# KiCad board data-center-dram-tester.kicad_pcb (continued)
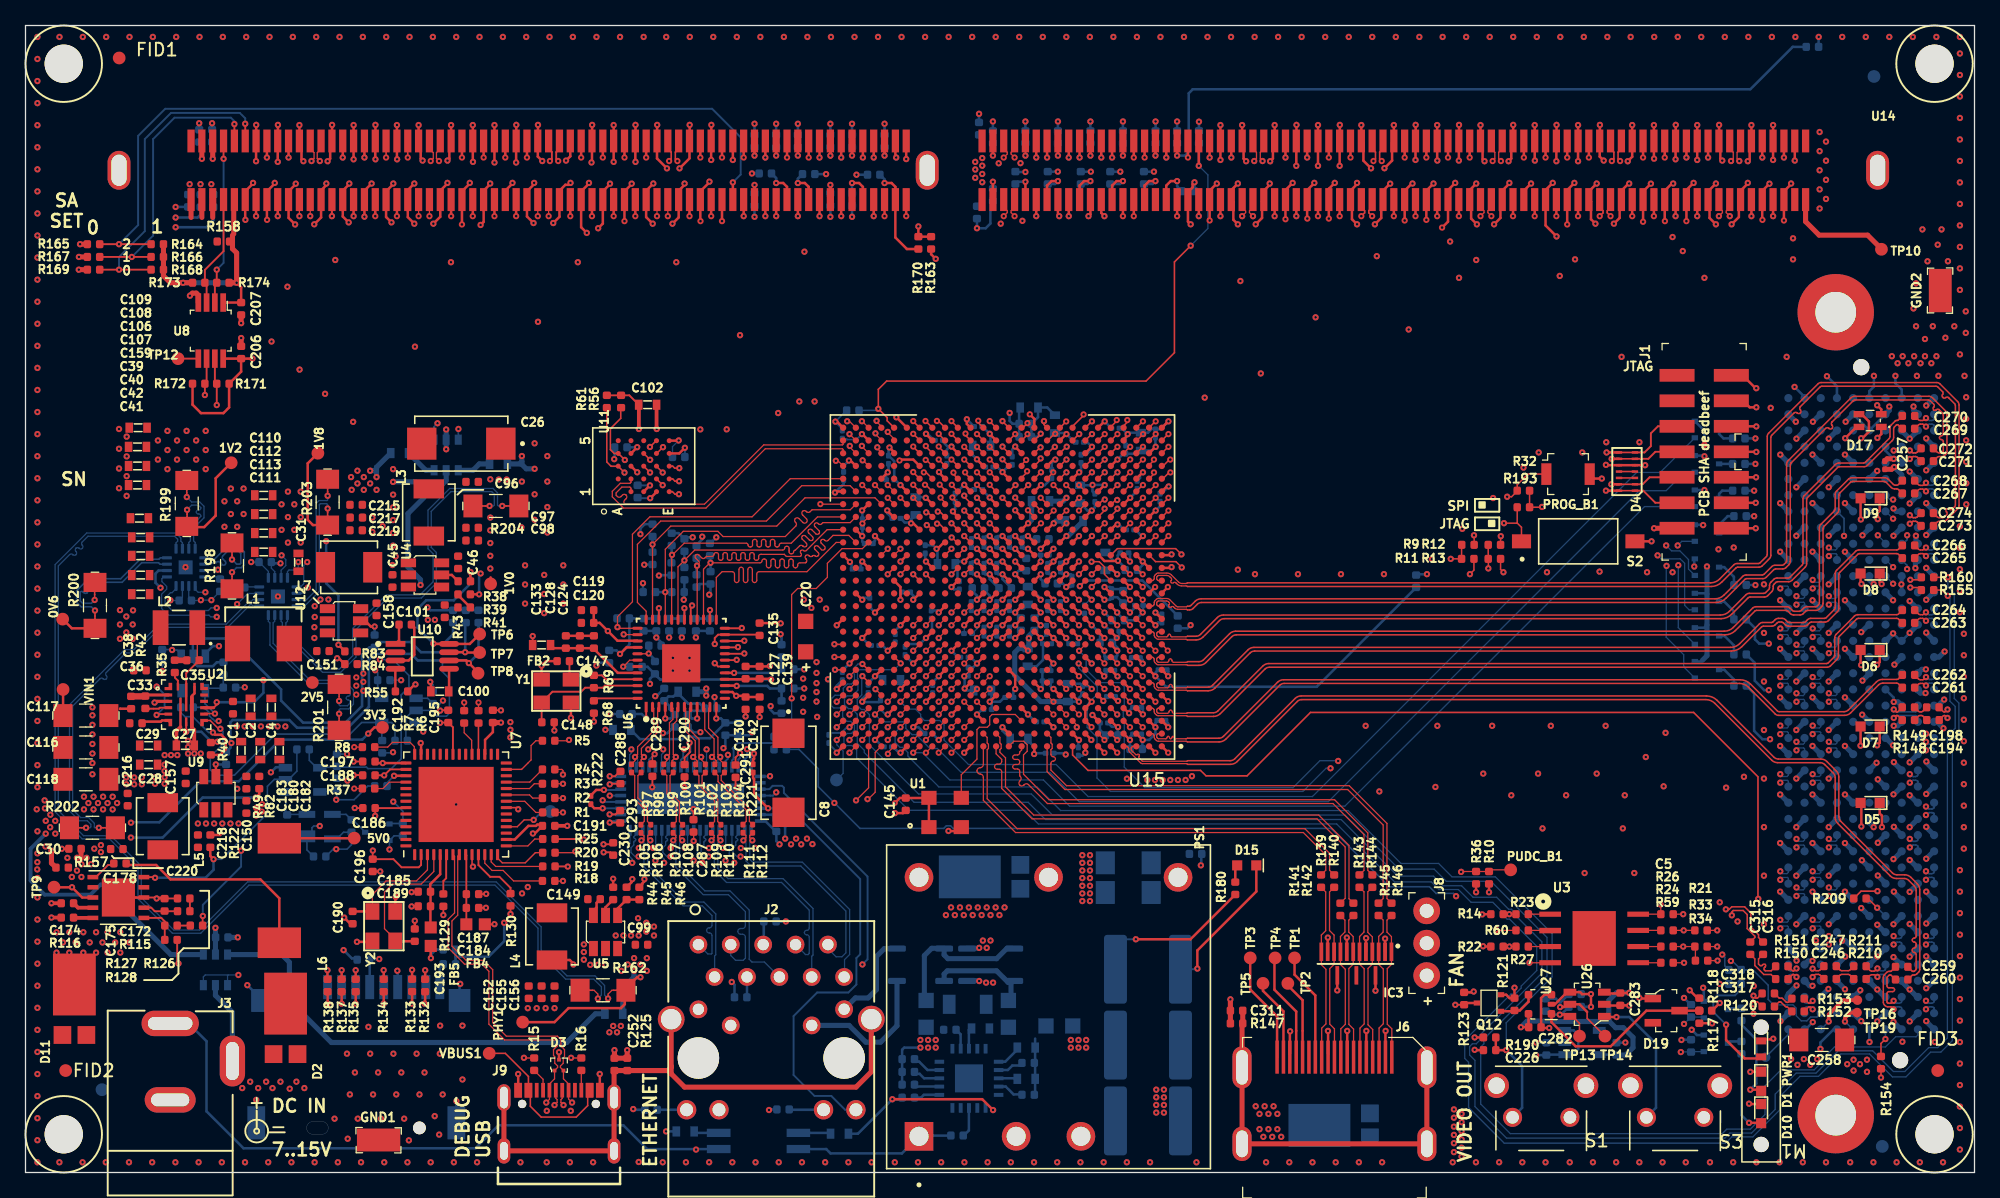
[diagram p0: board, top side]
## Routing (per net, layer and track width the routed paths; a pad name or vN(x,y) marks a point on that pad's centre or on a via; arc(x,y) is an arc through that point) (continued)
  Bottom w0.1: v1(28.09,15.88) 28.1,15.87 J7.5
SD_CMD: length 73
  Top w0.1: U15.D8 v3(82.64,35.94)
  Top w0.2: v1(25.9,15.88) R135.2
  In2.Cu w0.1: v3(82.64,35.94) 82.06,35.36 82.06,34.38 81.05,33.38 81.05,31.53 80.92,31.4 arc(80.78,31.34) 80.64,31.4 80.61,31.43 arc(80.46,31.49) 80.32,31.43 arc(80.26,31.29) 80.32,31.15 80.64,30.83 arc(80.7,30.69) 80.64,30.55 80.64,30.55 arc(80.5,30.49) 80.36,30.55 80.04,30.87 arc(79.9,30.92) 79.76,30.87 arc(79.7,30.72) 79.76,30.58 79.79,30.55 arc(79.85,30.41) 79.79,30.27 78.84,29.32 71.32,29.32 63.55,21.55 43.5,21.55 38.95,17 32.72,17 32.47,17.25 30.93,17.25 29.9,16.22 29.9,15.4 29.22,14.72 27.06,14.72 25.91,15.88 v1(25.9,15.88)
  Bottom w0.1: v1(25.9,15.88) J7.3
SD_DAT0: length 75.8
  Top w0.1: U15.E10 v3(80.64,36.94)
  Top w0.2: v1(30.32,15.9) R133.2
  In2.Cu w0.1: v1(30.32,15.9) 30.83,16.41 39.35,16.41 43.9,20.95 63.95,20.95 71.69,28.69 79.19,28.69 79.56,29.06 arc(79.61,29.18) 79.56,29.31 79.51,29.36 arc(79.46,29.48) 79.51,29.61 arc(79.63,29.66) 79.76,29.61 79.81,29.56 arc(79.93,29.5) 80.06,29.56 arc(80.11,29.68) 80.06,29.8 79.98,29.87 arc(79.93,30) 79.98,30.12 arc(80.11,30.17) 80.23,30.12 80.3,30.05 arc(80.43,30) 80.55,30.05 81.13,30.63 arc(81.19,30.78) 81.13,30.92 81.1,30.95 arc(81.04,31.09) 81.1,31.24 arc(81.24,31.29) 81.38,31.24 81.42,31.2 arc(81.56,31.14) 81.7,31.2 82.02,31.52 82.02,31.62 arc(81.96,31.76) 81.82,31.82 81.47,31.82 arc(81.33,31.88) 81.27,32.02 arc(81.33,32.16) 81.47,32.22 81.82,32.22 arc(81.96,32.28) 82.02,32.42 82.02,32.67 arc(82.08,32.81) 82.22,32.87 82.27,32.87 arc(82.41,32.93) 82.47,33.07 arc(82.41,33.21) 82.27,33.27 81.72,33.27 arc(81.58,33.33) 81.52,33.47 arc(81.58,33.61) 81.72,33.67 81.82,33.67 arc(81.96,33.73) 82.02,33.87 82.02,33.89 82.89,34.76 82.89,35.34 83.04,35.49 83.04,36.13 82.72,36.45 82.35,36.45 arc(82.23,36.5) 82.18,36.62 82.18,37.28 arc(82.12,37.4) 82,37.45 arc(81.88,37.4) 81.82,37.28 arc(81.78,37.17) 81.68,37.12 81.28,37.12 arc(81.17,37.08) 81.12,36.97 arc(81.17,36.87) 81.28,36.83 81.68,36.83 arc(81.78,36.78) 81.82,36.67 81.82,36.62 arc(81.77,36.5) 81.65,36.45 81.13,36.45 v3(80.64,36.94)
  Bottom w0.1: v1(30.32,15.9) 30.3,15.88 J7.7
SD_DAT1: length 75.1
  Top w0.1: U15.F8 v3(82.64,37.94)
  Top w0.2: v1(31.35,15.88) R132.2
  In2.Cu w0.1: v3(82.64,37.94) 83.06,37.52 83.06,36.74 83.25,36.55 83.25,35.24 83.18,35.17 83.18,33.88 82.7,33.41 82.7,31.2 82.54,31.04 arc(82.38,30.97) 82.22,31.04 arc(82.06,31.11) 81.9,31.04 arc(81.84,30.88) 81.9,30.72 82.06,30.56 82.54,30.09 arc(82.61,29.93) 82.54,29.77 arc(82.38,29.7) 82.22,29.77 81.59,30.4 arc(81.43,30.47) 81.27,30.4 arc(81.2,30.24) 81.27,30.09 81.9,29.45 arc(81.97,29.29) 81.9,29.13 arc(81.74,29.07) 81.59,29.13 80.95,29.77 arc(80.79,29.83) 80.63,29.77 arc(80.56,29.61) 80.63,29.45 81.27,28.81 arc(81.33,28.65) 81.27,28.49 arc(81.11,28.43) 80.95,28.49 80.31,29.13 arc(80.15,29.2) 79.99,29.13 arc(79.93,28.97) 79.99,28.81 arc(80.06,28.65) 79.99,28.49 79.55,28.05 72.05,28.05 64.4,20.4 44.2,20.4 39.8,16 31.47,16 v1(31.35,15.88)
  Bottom w0.1: J7.8 31.4,15.83 v1(31.35,15.88)
SD_DAT2: length 72.1
  Top w0.1: U15.C9 v3(81.64,34.94)
  Top w0.2: R138.2 23.69,15.17 v1(23.69,15.88)
  In2.Cu w0.1: v3(81.64,34.94) 81.64,34.61 80.3,33.28 80.3,31.8 78.46,29.95 70.96,29.95 63.05,22.05 43.05,22.05 38.6,17.6 30.55,17.6 29.59,16.64 29.59,15.66 29.03,15.1 27.45,15.1 26.18,16.38 25.6,16.38 25.38,16.15 25.38,15.58 25.15,15.35 24.21,15.35 v1(23.69,15.88)
  Bottom w0.1: v1(23.69,15.88) 23.7,15.86 J7.1
SD_DAT3: length 74.3
  Top w0.1: U15.D9 v3(81.64,35.94)
  Top w0.2: v1(24.8,15.88) R137.2
  In2.Cu w0.1: v3(81.64,35.94) 81.22,35.52 81.22,34.92 79.56,33.26 79.56,32.06 79.43,31.92 arc(79.3,31.87) 79.18,31.92 arc(79.05,31.98) 78.93,31.93 78.89,31.89 arc(78.84,31.77) 78.89,31.64 79.23,31.31 arc(79.29,31.16) 79.23,31.02 arc(79.09,30.96) 78.95,31.02 78.61,31.36 arc(78.49,31.41) 78.36,31.36 78.33,31.32 arc(78.28,31.2) 78.33,31.08 arc(78.38,30.95) 78.33,30.83 78.09,30.59 72.19,30.59 arc(72.05,30.65) 71.99,30.79 arc(71.93,30.93) 71.79,30.99 71.74,30.99 arc(71.6,30.93) 71.54,30.79 71.54,30.59 71.54,30.59 71.54,30.39 arc(71.48,30.25) 71.34,30.19 71.29,30.19 arc(71.15,30.25) 71.09,30.39 arc(71.03,30.53) 70.89,30.59 70.59,30.59 69.7,29.7 68.35,29.7 67.78,29.14 67.78,27.88 62.5,22.6 42.7,22.6 38.1,18 30.27,18 28.7,16.43 28.7,15.7 28.46,15.46 27.79,15.46 26.48,16.77 25.27,16.77 24.8,16.3 v1(24.8,15.88)
  Bottom w0.1: v1(24.8,15.88) J7.2
SDA_2V5: length 8.6
  Top w0.15: U14.285 15.54,72.29 14.07,70.82 14.07,69.79 ; U8.3 14.21,69.66
SDA_3V3: length 99.4
  Top w0.1: U15.D26 v1(63.64,35.94)
  Top w0.15: v1(14.07,61.01) R172.2 ; U8.6 14.21,62.03
  In2.Cu w0.1: v1(14.07,61.01) 16.79,61.01 22.85,54.95 22.85,49.28 22.1,48.53 v1(22.1,47.9) 22.1,47.4 23.05,46.45 26.07,46.45 31.33,41.19 31.33,35.69 34.12,32.9 38.16,32.9 38.99,32.07 45.93,32.07 46.9,31.1 57.81,31.1 58.23,30.68 62.44,30.68 64.06,32.29 64.06,35.52 v1(63.64,35.94)
  In9.Cu w0.1: v1(22.1,47.9) 21.7,47.5 21.7,45.5 19.8,43.6 v1(15,43.6)
  Bottom w0.1: v1(22.1,47.9) 21.82,47.62 21.82,46.2 21.57,45.95 U20.5 ; v1(15,43.6) 14.53,43.6 14.4,43.72 11.2,43.72 10.67,44.25 10.67,45.37 11.08,45.77 11.08,45.99 10.7,46.36 10.7,46.6 10.83,46.73 U19.5
TCK_JTAG: length 115.9
  Top w0.1: 41.54,22.86 42.15,22.86 ; U15.L8 v1(82.64,42.94)
  Top w0.127: D4.13 D4.13
  Top w0.15: D4.13 126.85,54 127.4,54.55 J1.6
  Top w0.2: D4.13 v1(124.4,54)
  In5.Cu w0.1: v1(82.64,42.94) 82.22,43.36 81.62,43.36 81.2,43.78 81.2,43.97 80.72,44.45 69.55,44.45 66.22,41.12 66.22,34.93 65.81,34.52 63.62,34.52 62.8,33.7 52.82,33.7 51.91,32.79 51.49,32.79 50.65,33.62 46.68,33.62 44.5,31.45 44.5,25.22 v1(42.16,22.88)
  In7.Cu w0.12: v1(124.4,54) 123.1,54 122.8,54.3 121.35,54.3 120.35,53.3 120.35,48.85 117,45.5 84.94,45.5 84.81,45.37 82.46,45.37 82.2,45.11 82.2,43.38 ; v1(82.64,42.94) 82.21,43.37
TDI_JTAG: length 117.5
  Top w0.127: D4.8 D4.8 ; U15.R6 v1(83.64,46.94)
  Top w0.15: R19.2 42.52,24.02 ; J1.10 128.05,58.55 127.5,58 127.5,57 127,56.5 D4.8
  Top w0.2: D4.8 v1(124.03,56.5)
  In5.Cu w0.1: v1(42.54,24) 42.54,26.21 42,26.75 42,27.5 42.33,27.83 42.34,27.83 42.58,28.08 42.58,32.58 45.21,35.21 60.91,35.21 63.22,37.52 63.22,38.36 63.9,39.04 63.9,41.9 68.52,46.52 68.84,46.52 69.22,46.9 69.22,47.11 69.47,47.37 83.21,47.37 v1(83.64,46.94)
  In7.Cu w0.12: v1(83.64,46.94) 83.99,46.59 84.61,46.59 85.2,46 115.95,46 119.5,49.55 119.5,53.7 121,55.2 123.2,55.2 123.5,54.9 124.3,54.9 125,55.6 125,56.3 124.8,56.5 v1(124.03,56.5)
TDO_JTAG: length 112.2
  Top w0.1: v1(43.14,25.19) 43.04,25.09 R20.2
  Top w0.127: D4.9 D4.9 ; U15.R7 v1(82.64,46.94)
  Top w0.15: D4.9 127.3,56 127.85,56.55 J1.8
  Top w0.2: D4.9 v1(124.43,56)
  In5.Cu w0.1: v1(82.64,46.94) 82.06,46.36 69.31,46.36 68.2,45.25 68.2,44.91 66.74,43.45 66.5,43.45 64.22,41.17 64.22,36.93 63.81,36.52 63.42,36.52 61.6,34.7 57.9,34.7 57.63,34.97 56.83,34.97 56.56,34.7 53.7,34.7 53.43,34.97 52.57,34.97 52.3,34.7 50.6,34.7 50.3,35 49.65,35 49.2,34.55 45.95,34.55 45.5,34.1 45.18,34.1 43.14,32.06 43.14,27.44 43.16,27.42 43.16,27.08 43.14,27.06 v1(43.14,25.19)
  In7.Cu w0.12: v1(82.64,46.94) 83.17,47.47 83.88,47.47 84.15,47.2 84.7,47.2 85.4,46.5 114.7,46.5 118.53,50.33 118.53,54.18 120.35,56 v1(124.43,56)
TMDS_CLK_N: length 35.2
  Top w0.1: R139.1 102,23.72 102,24.92 100.24,26.67 77.66,26.67 75.14,29.2 75.14,31.01 arc(75.06,31.19) 74.89,31.26 arc(74.71,31.34) 74.64,31.51 arc(74.71,31.69) 74.89,31.76 arc(75.06,31.84) 75.14,32.01 U15.A15
TMDS_CLK_P: length 35.8
  Top w0.1: U15.B15 75.44,34.14 75.44,33.71 75.54,33.61 75.54,33.27 75.44,33.17 75.44,29.33 77.79,26.97 100.36,26.97 102.3,25.04 102.3,23.71 R140.1
TMDS_D0_N: length 37.7
  Top w0.1: U15.A14 76.14,32.85 76.57,32.41 76.57,32.25 arc(76.52,32.1) 76.38,32.05 76.21,32.05 arc(76.07,31.99) 76.01,31.84 arc(76.07,31.7) 76.21,31.64 76.38,31.64 arc(76.52,31.59) 76.57,31.44 76.57,30.14 78.96,27.75 101.31,27.75 103.52,25.55 103.52,21.51 R141.1
TMDS_D0_P: length 38.1
  Top w0.1: R142.1 103.82,21.48 103.82,25.67 101.44,28.05 79.09,28.05 76.88,30.26 76.88,32.54 76.44,32.98 76.44,33.17 76.54,33.27 76.54,33.61 76.44,33.71 76.44,34.14 U15.B14
TMDS_D1_N: length 36.8
  Top w0.1: U15.A12 78.14,33.15 77.99,33 77.99,32.94 arc(77.94,32.81) 77.81,32.76 77.61,32.76 arc(77.49,32.71) 77.44,32.59 arc(77.49,32.46) 77.61,32.41 77.81,32.41 arc(77.94,32.36) 77.99,32.24 77.99,32.19 arc(77.94,32.06) 77.81,32.01 77.61,32.01 arc(77.49,31.96) 77.44,31.84 arc(77.49,31.71) 77.61,31.66 77.81,31.66 arc(77.94,31.61) 77.99,31.49 77.99,31.13 78.04,31.08 arc(78.1,30.92) 78.04,30.76 77.99,30.71 arc(77.93,30.55) 77.99,30.4 arc(78.15,30.33) 78.31,30.4 78.35,30.44 arc(78.51,30.51) 78.67,30.44 80.16,28.95 102.56,28.95 104.99,26.52 104.99,23.7 R143.1
TMDS_D1_P: length 36.5
  Top w0.1: U15.A13 77.54,33.84 78.3,33.84 78.57,33.57 78.57,33.05 78.29,32.76 78.29,31.25 80.29,29.25 102.69,29.25 105.3,26.64 105.3,23.7 R144.1
TMDS_D2_N: length 36.4
  Top w0.1: U15.A10 80.14,31.45 81.54,30.05 103.71,30.05 106.5,27.26 106.5,21.49 R145.1
TMDS_D2_P: length 38
  Top w0.1: U15.B10 80.44,34.14 80.44,33.71 80.54,33.61 80.54,33.27 80.44,33.17 80.44,32.8 arc(80.49,32.68) 80.61,32.63 80.62,32.63 arc(80.74,32.58) 80.79,32.45 arc(80.74,32.33) 80.62,32.28 80.61,32.28 arc(80.49,32.23) 80.44,32.1 80.44,31.58 81.66,30.35 103.84,30.35 106.8,27.39 106.8,21.49 R146.1
TMS_JTAG: length 110.1
  Top w0.1: U15.N8 v1(82.64,44.94)
  Top w0.127: D4.14 D4.14
  Top w0.15: R25.2 43.75,26.17 v1(43.79,26.13) ; J1.4 127.85,52.55 126.9,53.5 D4.14
  Top w0.2: D4.14 v1(123.97,53.5)
  In5.Cu w0.1: v1(43.79,26.13) 43.78,26.14 43.78,31.67 46.15,34.05 50.69,34.05 50.78,34.14 62.24,34.14 63.62,35.52 64.82,35.52 65.2,35.9 65.2,40.9 69.22,44.92 69.22,45.14 69.44,45.36 82.22,45.36 v1(82.64,44.94)
  In7.Cu w0.12: v1(123.97,53.5) 121.85,53.5 121.05,52.7 121.05,48.19 117.86,45 85.5,45 85.01,44.51 83.07,44.51 v1(82.64,44.94)
UART0_RX: length 37.4
  Top w0.1: R6.2 v2(35.54,36.88) ; U15.F25 v1(64.64,37.94)
  In2.Cu w0.1: v1(64.64,37.94) 64.06,37.36 63.21,37.36 62.75,36.9 62.75,34.55 60.3,32.1 47.25,32.1 45.83,33.52 36.88,33.52 35.5,34.9 35.5,36.84 v2(35.54,36.88)
UART0_TX: length 37.1
  Top w0.1: U15.E26 v1(63.64,36.94) ; R7.2 v2(34.41,36.88)
  In2.Cu w0.1: v2(34.41,36.88) 34.64,36.65 34.64,35.16 36.54,33.25 45.56,33.25 47.11,31.7 60.65,31.7 63.12,34.17 63.12,36.03 63.64,36.55 v1(63.64,36.94)
UART1_RX: length 48.2
  Top w0.1: R8.2 v2(25.79,33.38) ; v1(65.15,29.2) 66.14,30.19 U15.A24
  In2.Cu w0.1: v1(65.15,29.2) 62.95,27 44.34,27 43.56,27.78 41.62,27.78 37.4,32 30.8,32 29.4,33.4 25.81,33.4 v2(25.79,33.38)
UART1_TX: length 49.2
  Top w0.1: R37.2 v2(25.79,30.13) ; v1(66.05,29.3) 66.11,29.3 66.65,29.84 66.65,32.96 67.13,33.44
  In2.Cu w0.1: v2(25.79,30.13) 29.37,30.13 30.74,31.5 37.1,31.5 42,26.6 63.35,26.6 v1(66.05,29.3)
USR_LED1: length 84.7
  Top w0.1: U15.D21 v1(68.64,35.94)
  In9.Cu w0.1: v1(68.64,35.94) 68.15,36.43 68.15,43.2 68.35,43.4 68.69,43.4 70.07,44.78 70.07,45.07 70.8,45.8 72,45.8 72.25,45.55 72.8,45.55 73,45.75 80.55,45.75 81.25,45.05 81.25,44.78 81.52,44.5 89.29,44.5 91.34,42.45 92.85,42.45 93.35,42.95 126.05,42.95 128.73,45.63 v1(128.73,47.6)
  Bottom w0.1: v1(128.73,47.6) 128.7,47.57 128.7,42 130.07,40.62 130.07,39.67 Q2.1
USR_LED2: length 83.7
  Top w0.1: U15.B20 v1(69.64,33.94)
  In9.Cu w0.1: v1(69.64,33.94) 69.22,34.36 69.22,43.11 69.63,43.52 69.63,43.68 71.28,45.33 79.97,45.33 80.15,45.15 80.15,44.71 80.41,44.45 80.9,44.45 81.15,44.2 81.15,43.75 81.47,43.43 89.47,43.43 90.8,42.1 126.3,42.1 129.65,45.45 v1(129.65,47.65)
  Bottom w0.1: Q4.1 129.65,42.75 v1(129.65,47.65)
USR_LED3: length 84.3
  Top w0.1: U15.B21 v1(68.64,33.94)
  In9.Cu w0.1: v1(68.64,33.94) 68.06,34.52 68.06,35.11 67.65,35.52 67.46,35.52 67.15,35.83 67.15,40 66.5,40.65 66.5,43.21 68.22,44.93 68.22,45.11 69.64,46.54 70.94,46.54 71.1,46.7 72.1,46.7 72.26,46.54 84.68,46.54 85.38,45.84 89.76,45.84 91.24,44.36 125.58,44.36 127.69,46.46 127.69,48.08 v1(128.03,48.42)
  Bottom w0.1: v1(128.03,48.42) 128.3,48.15 129.8,48.15 130.15,47.8 130.15,44.5 130.5,44.15 Q3.1
USR_LED4: length 82.9
  Top w0.1: U15.C22 v1(67.64,34.94)
  In9.Cu w0.1: v1(67.64,34.94) 67.06,35.52 66.46,35.52 66.1,35.88 66.1,40.15 65.22,41.03 65.22,43.13 68.22,46.13 68.58,46.13 69.22,46.77 69.22,47.11 69.46,47.36 84.64,47.36 85.5,46.5 89.92,46.5 91.32,45.1 125.3,45.1 126.55,46.35 126.55,47.85 127.9,49.2 v1(128.7,49.2)
  Bottom w0.1: v1(128.7,49.2) 129.12,48.78 129.77,48.78 130.45,48.1 130.45,47.35 Q5.1
USR_LED5: length 77
  Top w0.1: U15.E22 v1(67.64,36.94)
  In9.Cu w0.1: v1(67.64,36.94) 67.64,40.36 67.06,40.94 67.06,42.77 69.15,44.86 69.15,45.35 70,46.2 72.1,46.2 72.23,46.33 73.37,46.33 73.6,46.1 80.92,46.1 81.47,45.55 84.83,45.55 85.18,45.2 89.5,45.2 91.05,43.65 125.84,43.65 128.2,46.01 128.2,47.8 v1(129.6,49.2)
  Bottom w0.1: Q6.1 129.93,49.53 v1(129.6,49.2)
VPP: length 7
  Top w0.4: U14.288 12.99,74.94 ; U14.286 14.69,74.94 ; U14.287 13.84,74.94 ; U14.143 v1(13.84,79.54) ; U14.142 v1(14.69,79.54)
  vias: v1(12.88,77.55) v1(13.73,77.55) v1(14.58,77.55) v1(15.61,52.67) v1(15.61,50.67) v1(16.11,53.67) v1(16.11,51.67) v1(16.61,52.67) v1(16.61,50.67) v1(17.11,53.67) v1(17.11,51.67)
VREF_33: length 5.6
  Top w0.127: v1(79.64,57.97) 79.64,57.94 U15.AE11
  Bottom w0.2: R65.2 80.15,60.03 R66.1 79.43,59.27 C146.1 C18.1 79.39,57.72 v1(79.64,57.97)
VRN: length 2.5
  Top w0.127: 81.64,49.94 v1(81.66,49.94)
  Top w0.2: U15.U9 81.64,49.94
  Bottom w0.4: R63.1 81.79,49.94 v1(81.66,49.94)
VRP: length 2.6
  Top w0.127: 78.63,50.94 v1(78.65,50.94)
  Top w0.2: 78.13,50.44 78.63,50.94
  Bottom w0.4: R64.1 78.92,51.21 v1(78.65,50.94)
VTT:
  vias: v1(74.5,79.3) v1(74.5,78.7) v1(74.5,78.05) v1(75.05,79.6) v1(75.05,79) v1(75.05,78.35) v1(75.05,77.7)
~{ACT}: length 45.9
  Top w0.127: U15.Y8 82.64,52.94 v3(82.66,52.94)
  Top w0.2: U14.62 v3(87.79,79.64)
  In5.Cu w0.09: 80.97,60.44 80.97,59.36 81.22,59.11 81.22,54.36 82.65,52.94 v3(82.66,52.94)
  In5.Cu w0.146: 80.97,60.44 80.97,69.97 81.33,70.33 arc(81.42,70.54) 81.33,70.76 81.23,70.86 arc(81.14,71.07) 81.23,71.29 arc(81.44,71.37) 81.65,71.29 82.29,70.65 arc(82.5,70.56) 82.71,70.65 arc(82.8,70.86) 82.71,71.07 82.07,71.71 arc(81.99,71.92) 82.07,72.13 arc(82.29,72.22) 82.5,72.13 83.13,71.5 arc(83.35,71.41) 83.56,71.5 arc(83.65,71.71) 83.56,71.92 82.92,72.56 arc(82.83,72.77) 82.92,72.98 arc(83.13,73.07) 83.35,72.98 83.98,72.35 arc(84.2,72.26) 84.41,72.35 arc(84.5,72.56) 84.41,72.77 83.77,73.41 arc(83.68,73.62) 83.77,73.83 arc(83.98,73.92) 84.2,73.83 84.83,73.2 arc(85.04,73.11) 85.26,73.2 arc(85.34,73.41) 85.26,73.62 85.15,73.73 arc(85.06,73.94) 85.15,74.15 85.8,74.8 arc(85.89,75.01) 85.8,75.22 85.64,75.39 arc(85.55,75.6) 85.64,75.81 arc(85.85,75.9) 86.06,75.81 86.81,75.06 arc(87.02,74.97) 87.24,75.06 arc(87.32,75.27) 87.24,75.48 86.48,76.24 arc(86.4,76.45) 86.48,76.66 arc(86.7,76.75) 86.91,76.66 87.07,76.5 arc(87.28,76.41) 87.5,76.5 87.79,76.79 v3(87.79,79.64)
~{ALERT}: length 43.4
  Top w0.127: U15.AE10 80.19,57.44 80.71,57.96 v2(80.77,57.96)
  Top w0.2: U14.208 v2(86.09,75.04)
  In2.Cu w0.1: 81.33,60.45 81.33,60.2 81.1,59.97 81.1,58.29 v2(80.77,57.96)
  In2.Cu w0.16: 81.33,60.45 81.33,63.59 81.21,63.72 81.21,64.11 81.33,64.23 arc(81.49,64.3) 81.65,64.23 81.82,64.05 arc(81.98,63.99) 82.14,64.05 arc(82.21,64.21) 82.14,64.37 81.68,64.83 arc(81.63,64.95) 81.68,65.08 81.76,65.15 arc(81.88,65.2) 82,65.15 82.46,64.69 arc(82.62,64.62) 82.78,64.69 arc(82.84,64.85) 82.78,65.01 82.32,65.47 arc(82.27,65.59) 82.32,65.71 82.39,65.79 arc(82.52,65.84) 82.64,65.79 83.13,65.29 arc(83.29,65.23) 83.45,65.29 arc(83.52,65.45) 83.45,65.61 82.96,66.1 arc(82.91,66.23) 82.96,66.35 83.03,66.42 arc(83.15,66.47) 83.28,66.42 84.12,65.57 arc(84.28,65.51) 84.44,65.57 arc(84.51,65.73) 84.44,65.89 83.59,66.74 arc(83.54,66.86) 83.59,66.99 83.66,67.06 arc(83.79,67.11) 83.91,67.06 arc(84.03,67.01) 84.16,67.06 85.03,67.92 85.55,67.92 arc(85.71,67.99) 85.77,68.15 arc(85.71,68.31) 85.55,68.38 85.22,68.38 arc(85.07,68.44) 85,68.6 arc(85.07,68.76) 85.22,68.83 86.62,68.83 arc(86.78,68.89) 86.85,69.05 arc(86.78,69.21) 86.62,69.28 85.22,69.28 arc(85.07,69.34) 85,69.5 arc(85.07,69.66) 85.22,69.72 86.62,69.72 arc(86.78,69.79) 86.85,69.95 arc(86.78,70.11) 86.62,70.17 85.22,70.17 arc(85.07,70.24) 85,70.4 arc(85.07,70.56) 85.22,70.62 86.38,70.62 arc(86.53,70.69) 86.6,70.85 arc(86.53,71.01) 86.38,71.08 86.22,71.08 arc(86.07,71.14) 86,71.3 86,73.04 arc(86.06,73.18) 86.2,73.24 86.3,73.24 arc(86.49,73.32) 86.57,73.51 arc(86.49,73.71) 86.3,73.79 85.79,73.79 arc(85.56,73.69) 85.46,73.46 85.46,73.43 arc(85.38,73.22) 85.16,73.13 arc(84.95,73.22) 84.86,73.43 84.86,73.49 arc(84.78,73.7) 84.56,73.79 84.53,73.79 arc(84.33,73.87) 84.25,74.06 arc(84.33,74.26) 84.53,74.34 85.39,74.34 v2(86.09,75.04)
~{CAS}\A15: length 37
  Top w0.127: U15.AF13 76.64,58.94 v1(76.64,58.96)
  Top w0.2: U14.86 v1(62.29,79.64)
  In9.Cu w0.1: v1(76.64,58.96) 76.64,59.63 77.03,60.02 77.72,60.02 77.9,60.2 77.9,60.5
  In9.Cu w0.16: v1(62.29,79.64) 62.29,77.21 63.72,75.78 64.92,75.78 65.8,74.9 65.8,73.8 67.15,72.45 72.9,72.45 73.15,72.2 73.15,71.85 77.9,67.1 77.9,63.35 arc(77.97,63.19) 78.12,63.12 78.15,63.12 arc(78.31,63.06) 78.37,62.9 arc(78.31,62.74) 78.15,62.67 77.65,62.67 arc(77.49,62.61) 77.43,62.45 arc(77.49,62.29) 77.65,62.22 78.15,62.22 arc(78.31,62.16) 78.37,62 arc(78.31,61.84) 78.15,61.78 77.65,61.78 arc(77.49,61.71) 77.43,61.55 arc(77.49,61.39) 77.65,61.33 77.68,61.33 arc(77.83,61.26) 77.9,61.1 77.9,60.5
~{CS0}: length 48.6
  Top w0.127: U15.V9 81.64,50.94 v3(81.66,50.94)
  Top w0.2: U14.84 v1(63.99,79.64)
  In5.Cu w0.09: 79.57,60.44 79.57,59.49 79.21,59.13 79.21,54.69 79.5,54.4 80.06,54.4 80.44,54.02 80.44,53.56 81.48,52.52 81.78,52.52 82.15,52.15 82.15,51.43 v3(81.66,50.94)
  In5.Cu w0.146: 79.57,60.44 79.57,69.83 77,72.4 77,72.9 76.82,73.08 arc(76.54,73.19) 76.26,73.08 75.98,72.79 arc(75.69,72.68) 75.41,72.79 arc(75.29,73.08) 75.41,73.36 75.69,73.64 arc(75.81,73.92) 75.69,74.21 75.36,74.54 arc(75.29,74.71) 75.36,74.89 75.51,75.04 arc(75.59,75.21) 75.51,75.39 arc(75.34,75.46) 75.16,75.39 74.44,74.67 arc(74.26,74.6) 74.08,74.67 arc(74.01,74.85) 74.08,75.02 74.81,75.75 arc(74.88,75.92) 74.81,76.1 arc(74.63,76.17) 74.45,76.1 74.3,75.95 arc(74.13,75.88) 73.95,75.95 73.85,76.05 67.65,76.05 65.8,77.9 65.8,78.5 65.4,78.9 64.7,78.9 63.99,79.61 v1(63.99,79.64)
~{CS1}\NC: length 45
  Top w0.127: U15.Y11 79.64,51.94 v2(79.64,51.92)
  Top w0.2: U14.89 v2(59.74,79.64)
  In2.Cu w0.1: 75.53,60.45 75.53,59.45 75.22,59.13 75.22,57.79 75.55,57.45 75.78,57.45 76.15,57.08 76.15,56.74 76.43,56.46 76.82,56.46 77.14,56.14 77.14,54.81 76.71,54.38 76.53,54.38 76.22,54.07 76.22,52.73 76.57,52.38 79.18,52.38 v2(79.64,51.92)
  In2.Cu w0.16: v2(59.74,79.64) 61.1,78.28 61.1,74.42 62.72,72.8 69,72.8 70.1,71.7 70.1,71.1 70.8,70.4 71.4,70.4 75.53,66.28 75.53,60.45 75.53,60.45
~{CS2}\C0: length 51
  Top w0.127: U15.V11 79.64,50.94 v2(79.66,50.94)
  Top w0.2: U14.93 v3(56.34,79.64)
  In2.Cu w0.1: 74.93,60.45 74.93,59.85 74.28,59.2 74.28,58.35 74.19,58.25 74.19,57.75 74.5,57.44 74.9,57.44 75.15,57.18 75.15,56.67 75.38,56.45 75.77,56.45 76.1,56.12 76.1,54.77 75.81,54.48 75.54,54.48 75.19,54.13 75.19,52.79 75.56,52.42 75.88,52.42 76.85,51.45 79.14,51.45 v2(79.66,50.94)
  In2.Cu w0.16: 74.93,60.45 74.93,65.57 70.9,69.6 70.6,69.6 69.35,70.85 69.35,71.15 68.5,72 62.3,72 59.8,74.5 59.8,75.56 arc(59.89,75.77) 60.1,75.86 60.16,75.86 arc(60.37,75.95) 60.46,76.16 arc(60.37,76.37) 60.16,76.46 59.44,76.46 arc(59.23,76.55) 59.14,76.76 arc(59.23,76.97) 59.44,77.06 59.5,77.06 arc(59.71,77.15) 59.8,77.36 59.8,78.1 59,78.9 56.56,78.9 56.34,79.13 v3(56.34,79.64)
~{CS3}\C1,NC: length 49.1
  Top w0.127: v3(78.64,51.96) 78.64,51.94 U15.W11
  Top w0.2: U14.237 v1(56.34,75.04)
  In5.Cu w0.09: 76.77,60.44 76.77,59.92 76.2,59.34 76.2,54.16 77.15,53.21 77.15,52.62 77.4,52.37 78.22,52.37 v3(78.64,51.96)
  In5.Cu w0.146: v1(56.34,75.04) 56.88,74.5 59.2,74.5 60.03,73.67 64.42,73.67 65.27,72.83 69.62,72.83 72.08,70.37 72.51,70.37 73.5,69.38 arc(73.66,69.32) 73.82,69.38 73.85,69.42 arc(74.01,69.48) 74.17,69.42 arc(74.24,69.26) 74.17,69.1 73.78,68.71 arc(73.71,68.55) 73.78,68.39 arc(73.94,68.33) 74.1,68.39 74.49,68.78 arc(74.65,68.85) 74.81,68.78 arc(74.87,68.62) 74.81,68.46 74.42,68.07 arc(74.35,67.91) 74.42,67.76 arc(74.58,67.69) 74.74,67.76 75.12,68.14 arc(75.28,68.21) 75.44,68.14 arc(75.51,67.99) 75.44,67.83 75.05,67.44 arc(74.99,67.28) 75.05,67.12 arc(75.21,67.05) 75.37,67.12 75.76,67.51 arc(75.92,67.57) 76.08,67.51 arc(76.14,67.35) 76.08,67.19 75.69,66.8 arc(75.62,66.64) 75.69,66.48 arc(75.85,66.42) 76.01,66.48 76.4,66.87 arc(76.56,66.94) 76.72,66.87 arc(76.78,66.71) 76.72,66.55 76.68,66.52 arc(76.61,66.36) 76.68,66.2 76.77,66.11 76.77,60.44
~{EVENT}: length 16.8
  Top w0.2: v1(70.04,74.23) R170.2 R163.2 ; U14.78 v1(69.09,79.52)
  In2.Cu w0.16: v1(69.09,79.52) 69.09,78.99 68.6,78.5 67.3,78.5 65.9,77.1 65.9,76.9 arc(65.98,76.71) 66.18,76.62 66.37,76.62 arc(66.57,76.54) 66.65,76.35 arc(66.57,76.16) 66.37,76.08 65.43,76.08 arc(65.23,75.99) 65.15,75.8 arc(65.23,75.61) 65.43,75.53 65.62,75.53 arc(65.82,75.44) 65.9,75.25 65.9,74.7 66.4,74.2 70,74.2 v1(70.04,74.23)
~{PERST}: length 81
  Top w0.127: 144.38,21.5 144.53,21.5 v1(145.25,20.78) ; U15.A8 82.14,32.76 83.35,31.55 92.18,31.55 92.6,31.12 95.82,31.12 100.8,36.1 130.85,36.1 135.9,31.05 135.9,21.5 v1(135.93,21.47)
  In5.Cu w0.127: v1(135.93,21.47) 137.14,20.26 144.73,20.26 v1(145.25,20.78)
  Bottom w0.127: J5.D8 145.9,20.12 v1(145.25,20.78)
~{RAS}\A16: length 42.8
  Top w0.127: U15.AA12 78.64,53.94 v1(78.66,53.94)
  Top w0.2: U14.82 v1(65.69,79.64)
  In9.Cu w0.1: v1(78.66,53.94) 78.66,54.64 78.4,54.9 78.4,55.9 78.7,56.2 78.7,58.6 79.6,59.5 79.6,60.5
  In9.Cu w0.16: 79.6,60.5 79.6,63.6 80.2,64.2 80.2,67.4 80.05,67.55 arc(79.98,67.71) 80.05,67.87 80.09,67.91 arc(80.16,68.07) 80.09,68.23 arc(79.93,68.29) 79.77,68.23 79.37,67.83 arc(79.21,67.76) 79.06,67.83 arc(78.99,67.99) 79.06,68.15 79.45,68.54 arc(79.52,68.7) 79.45,68.86 arc(79.29,68.93) 79.14,68.86 78.74,68.46 arc(78.58,68.4) 78.42,68.46 arc(78.35,68.62) 78.42,68.78 78.82,69.18 arc(78.88,69.34) 78.82,69.5 arc(78.66,69.57) 78.5,69.5 78.1,69.1 arc(77.94,69.03) 77.78,69.1 arc(77.72,69.26) 77.78,69.42 77.82,69.46 arc(77.89,69.62) 77.82,69.78 75.25,72.35 75.25,74.4 74.9,74.75 68.97,74.75 65.68,78.04 65.68,79.63 v1(65.69,79.64)
~{RESET}: length 40.7
  Top w0.127: v2(83,59.48) 83,59.41 82.14,58.55 U15.AF8
  Top w0.2: U14.58 v2(91.19,79.64)
  In2.Cu w0.1: v2(83,59.48) 83.02,59.5 83.7,59.5 84.4,60.2 84.4,60.45
  In2.Cu w0.16: 84.4,60.45 84.4,60.89 84.84,61.33 88,61.33 90.72,64.05 90.72,67.62 arc(90.65,67.8) 90.47,67.88 90.46,67.88 arc(90.29,67.95) 90.21,68.12 arc(90.29,68.3) 90.46,68.38 91.34,68.38 arc(91.51,68.45) 91.59,68.62 arc(91.51,68.8) 91.34,68.88 90.46,68.88 arc(90.29,68.95) 90.21,69.12 arc(90.29,69.3) 90.46,69.38 91.34,69.38 arc(91.51,69.45) 91.59,69.62 arc(91.51,69.8) 91.34,69.88 90.97,69.88 arc(90.8,69.95) 90.72,70.12 90.72,70.62 arc(90.81,70.82) 91,70.9 91.47,70.9 arc(91.67,70.98) 91.75,71.17 arc(91.67,71.37) 91.47,71.45 91.12,71.45 arc(90.93,71.53) 90.85,71.72 90.85,72.97 arc(90.92,73.13) 91.07,73.2 92.11,73.2 arc(92.27,73.27) 92.34,73.42 arc(92.27,73.58) 92.11,73.65 90.95,73.65 arc(90.79,73.72) 90.72,73.88 90.72,74.58 91.19,75.04 91.19,75.44 arc(91.1,75.65) 90.89,75.74 90.39,75.74 arc(90.17,75.83) 90.09,76.04 arc(90.17,76.25) 90.39,76.34 91.99,76.34 arc(92.2,76.43) 92.29,76.64 arc(92.2,76.85) 91.99,76.94 91.49,76.94 arc(91.27,77.03) 91.19,77.24 v2(91.19,79.64)
~{SAVE}: length 44.9
  Top w0.127: U15.Y10 v3(79.64,52.94)
  Top w0.2: U14.230 v1(62.29,75.04)
  In5.Cu w0.09: v3(79.64,52.94) 78.86,52.94 78.12,53.68 78.12,59.92 78.17,59.97 78.17,60.44
  In5.Cu w0.146: 78.17,60.44 78.17,67.63 77.93,67.87 arc(77.86,68.05) 77.93,68.22 77.97,68.26 arc(78.04,68.44) 77.97,68.61 arc(77.79,68.69) 77.61,68.61 77.19,68.19 arc(77.01,68.11) 76.83,68.19 arc(76.76,68.36) 76.83,68.54 77.26,68.97 arc(77.33,69.14) 77.26,69.32 arc(77.08,69.39) 76.91,69.32 76.48,68.89 arc(76.3,68.82) 76.13,68.89 arc(76.05,69.07) 76.13,69.25 76.55,69.67 arc(76.63,69.85) 76.55,70.03 arc(76.38,70.1) 76.2,70.03 75.77,69.6 arc(75.59,69.53) 75.42,69.6 arc(75.34,69.78) 75.42,69.95 75.85,70.38 arc(75.92,70.56) 75.85,70.74 arc(75.67,70.81) 75.49,70.74 75.06,70.31 arc(74.89,70.23) 74.71,70.31 arc(74.64,70.48) 74.71,70.66 74.75,70.7 arc(74.82,70.88) 74.75,71.05 74.31,71.49 74.31,71.94 71.32,74.92 69.45,74.92 68.97,74.45 66.05,74.45 64.8,75.7 62.9,75.7 62.29,75.09 v1(62.29,75.04)
